# Altium PCB CM3_IO_V1.3_20220317.PcbDoc (part 2 of 7)
Units mil, origin at the board's own origin, x right, y up, seen from the top; angles counter-clockwise.
Board outline 6299.61 x 3544.09 mil, 4 copper layers (Top, GND, Power, Bottom), stack 35.4 mil thick; 551 components, 415 nets, 1958 pads, 2673 vias.
Unrouted connection lines stored in the file: 298.
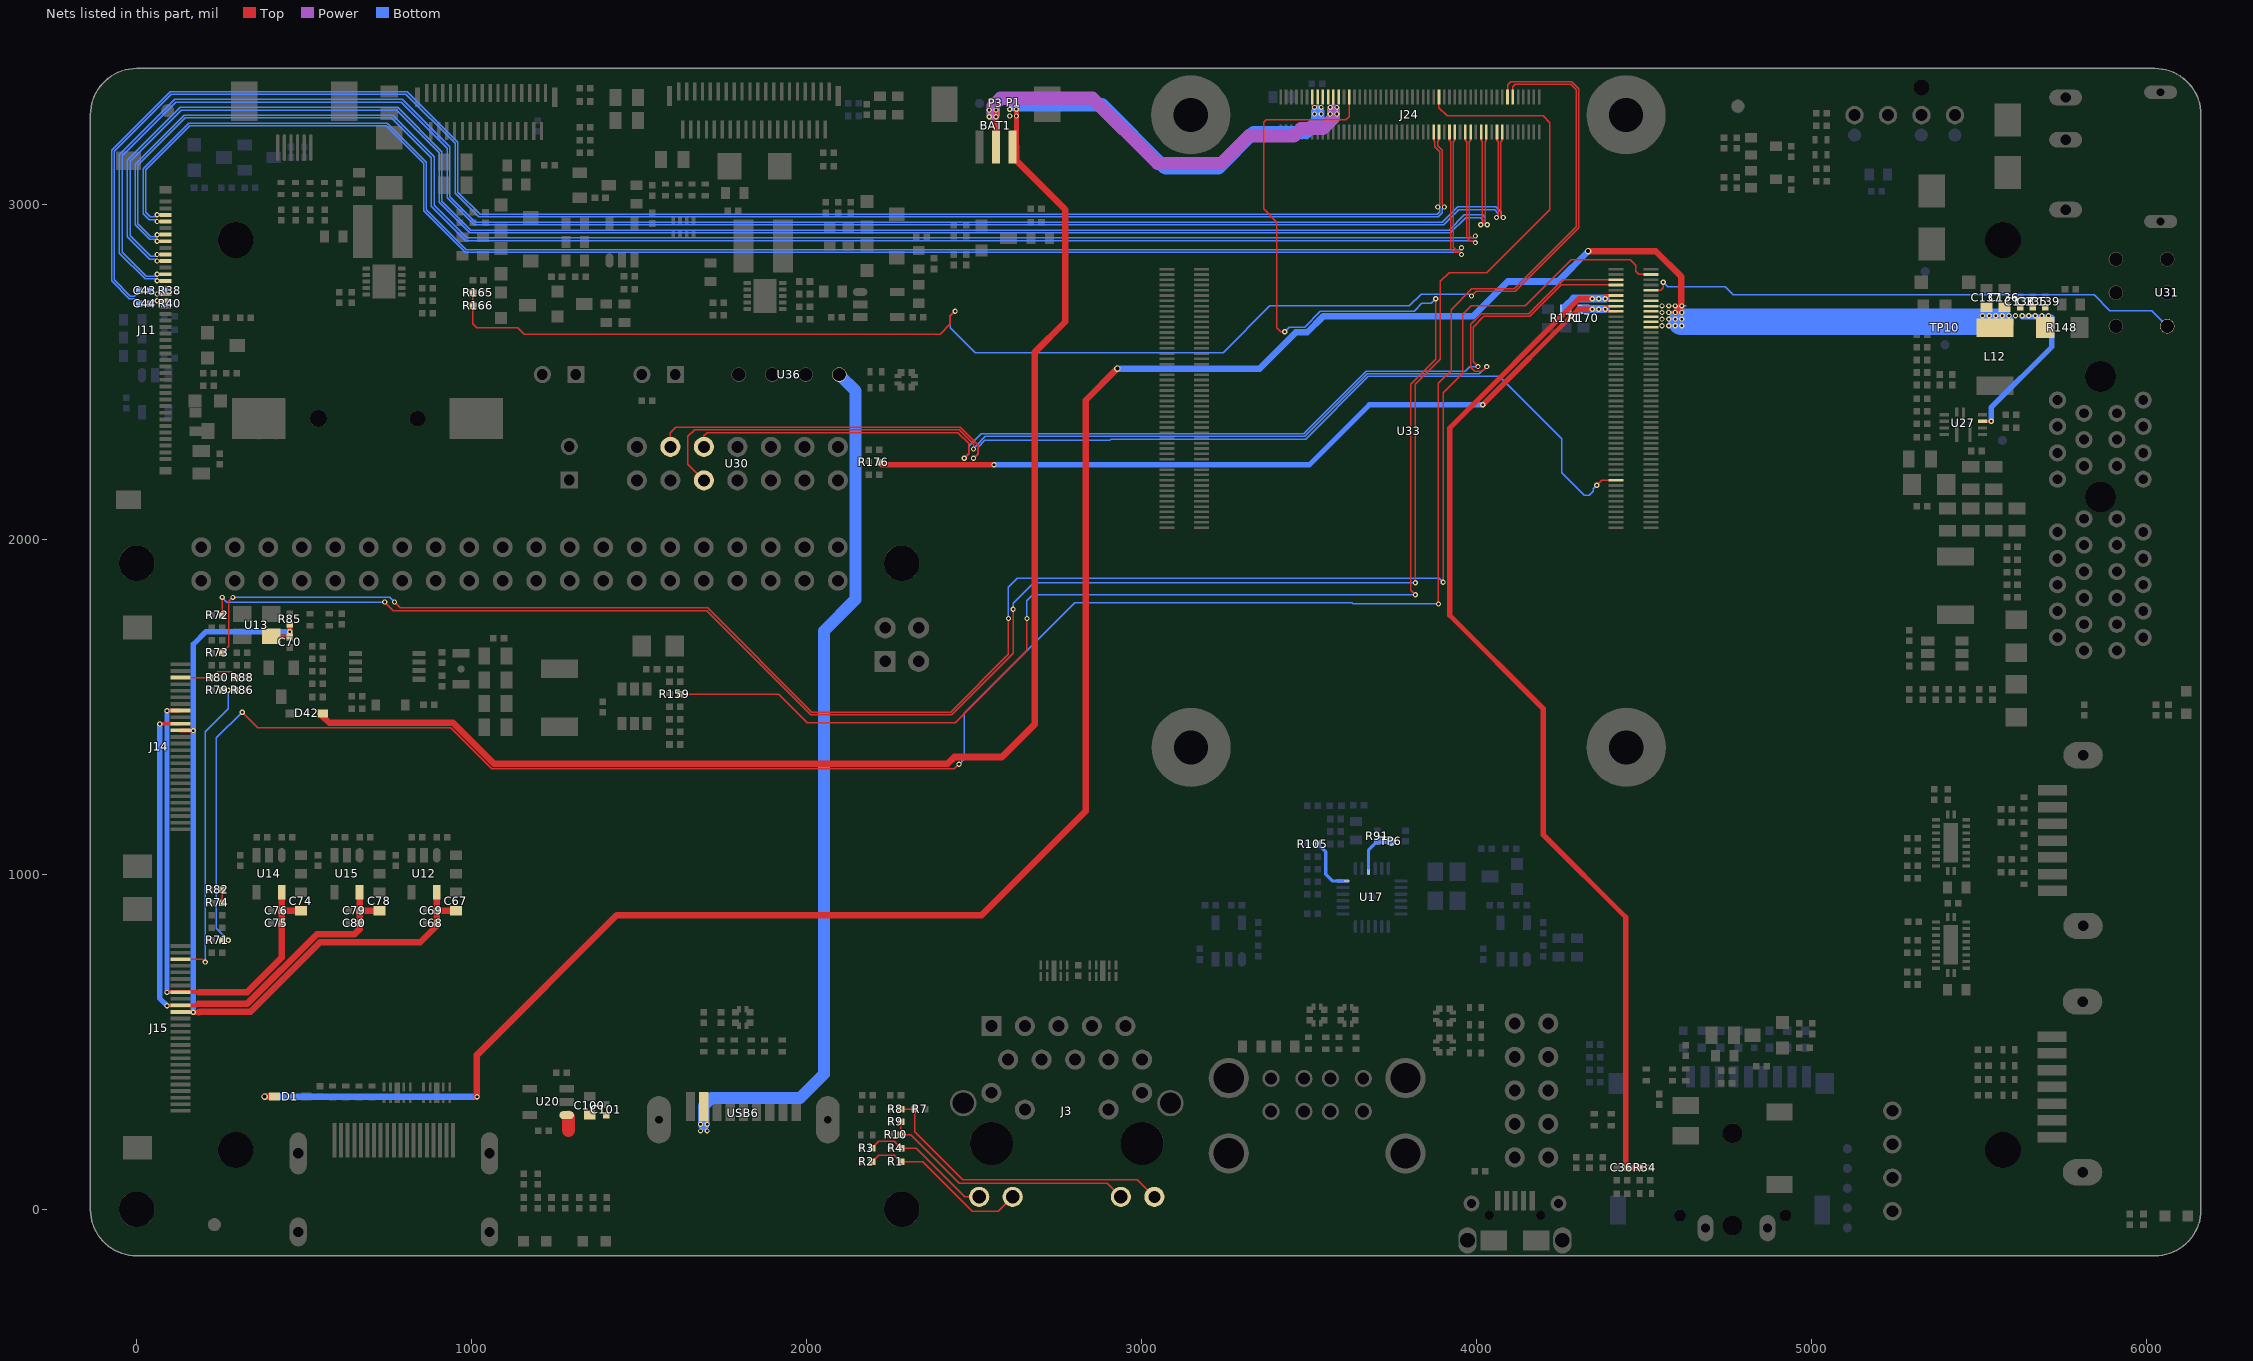
[diagram p4: the nets of this part, all layers, seen from the top]

## Footprints (in the part's own frame and the unit in brackets; to place one, negate y for a bottom-side part, rotate by r counter-clockwise, add the part's x,y. Pads: shape width x height; smd on the part's side, far side on the other; paste and mask are expansions set on the pad) (continued)
LCD39PIN-OK [mil]
  rect 54x10 smd: 1(0,0) 2(-113.18,11.81) 3(0,23.62) 4(-113.18,35.43) 5(0,47.24) 6(-113.18,59.06) 7(0,70.87) 8(-113.18,82.68) 9(0,94.49) 10(-113.18,106.3) 11(0,118.11) 12(-113.18,129.92) 13(0,141.73) 14(-113.18,153.54) 15(0,165.35) 16(-113.18,177.17) 17(0,188.98) 18(-113.18,200.79) 19(0,212.6) 20(-113.18,224.41) 21(0,236.22) 22(-113.18,248.03) 23(0,259.84) 24(-113.18,271.65) 25(0,283.46) 26(-113.18,295.28) 27(0,307.09) 28(-113.18,318.9) 29(0,330.71) 30(-113.18,342.52) 31(0,354.33) 32(-113.18,366.14) 33(0,377.95) 34(-113.18,389.76) 35(0,401.57) 36(-113.18,413.39) 37(0,425.2) 38(-113.18,437.01) 39(0,448.82)
  rect 59.06x15.75 smd: 40(-13.18,476.38) 41(-13.18,-27.56)
  silkscreen extent -130,-33 -54,483
LED0603 [mm]
  rect 0.8x0.8 smd: 1(-0.869,0.001) 2(0.869,-0.001)
  silkscreen extent -1.41,-0.65 1.41,0.65
MARK-1 [mm]
  round 1 smd: 1(0,0)
  silkscreen extent -1.65,-1.65 1.65,1.65
MICRO_USB_NJ2 [mm]
  rect 0.4x1.5 smd: 1(-1.3,0.2) 2(-0.65,0.2) 3(0,0.2) 4(0.65,0.2) 5(1.3,0.2)
  rrect100% 1.2x1.2 hole 0.7: 6(-3.3,0) 7(3.3,0)
  oval 1.4x2 hole 1.1 slot 1.5 at 90 deg: 8(-3.6,-2.8) 9(3.6,-2.8)
  rect 2x1.5 smd: 10(-1.6,-2.8) 11(1.6,-2.8)
  round 0.7 hole 0.7 unplated: 12(-1.95,-0.9) 13(1.95,-0.9)
  silkscreen extent -4.3,-5.28 4.3,1.55
MSOP8 [mm]
  rect 1x0.4 smd: 1(-2.4,0.947) 2(-2.4,0.297) 3(-2.4,-0.353) 4(-2.4,-1.003) 5(2.4,-1.003) 6(2.4,-0.353) 7(2.4,0.297) 8(2.4,0.947)
  silkscreen extent -3.36,-1.52 3.05,2.03
PCIEX1_36PIN_DIP [mm]
  round 1.3 hole 0.75: A1(-11.65,1.25) A2(-10.65,3.25) A3(-9.65,1.25) A4(-8.65,3.25) A5(-7.65,1.25) A6(-6.65,3.25) A7(-5.65,1.25) A8(-4.65,3.25) A9(-3.65,1.25) A10(-2.65,3.25) A11(-1.65,1.25) A12(1.35,3.25) A13(2.35,1.25) A14(3.35,3.25) A15(4.35,1.25) A16(5.35,3.25) A17(6.35,1.25) A18(7.35,3.25) B1(-11.65,-1.25) B2(-10.65,-3.25) B3(-9.65,-1.25) B4(-8.65,-3.25) B5(-7.65,-1.25) B6(-6.65,-3.25) B7(-5.65,-1.25) B8(-4.65,-3.25) B9(-3.65,-1.25) B10(-2.65,-3.25) B11(-1.65,-1.25) B12(1.35,-3.25) B13(2.35,-1.25) B14(3.35,-3.25) B15(4.35,-1.25) B16(5.35,-3.25) B17(6.35,-1.25) B18(7.35,-3.25)
  round 2.35 hole 2.35: C1(0,0) C2(9.15,0)
  silkscreen extent -14.67,-4.25 10.35,4.25
PJ-327A [mm]
  round 1.5 hole 1.5: 1(0,0) 8(7,0)
  oval 2x1.2 / inner oval 1.6x0.8 / far side oval 2x1.2 hole 0.686 slot 1.499 at 0 deg: 2(-0.2,2.05) 5(-0.2,-2.65)
  rect 1.3x2 smd: 3(6.8,3.55) 4(9.1,3.55) 6(3.1,-3.55) 7(8.6,-3.55)
  silkscreen extent -4.6,-3.2 9.6,3.2
QFN12_2R00X3R00X1R00 [mm]
  rect 1.5x0.25 smd: 1(-0.55,0.5) 2(-0.55,-0.5) 7(0.55,0)
  rect 0.25x0.7 smd: 3(-0.75,-1.45) 4(-0.25,-1.45) 5(0.25,-1.45) 6(0.75,-1.45) 9(0.75,1.45) 10(0.25,1.45) 11(-0.25,1.45) 12(-0.75,1.45)
  rect 0.7x0.25 smd: 8(0.95,0.5)
  silkscreen extent -1.81,-1.5 1,1.5
QFN20-2D5X4D5 [mm]
  rect 0.25x0.6 smd: 1(-1.74,-1.14) 2(-1.24,-1.14) 3(-0.74,-1.14) 4(-0.24,-1.14) 5(0.26,-1.14) 6(0.76,-1.14) 7(1.26,-1.14) 8(1.76,-1.14) 11(1.76,1.16) 12(1.26,1.16) 13(0.76,1.16) 14(0.26,1.16) 15(-0.24,1.16) 16(-0.74,1.16) 17(-1.24,1.16) 18(-1.74,1.16)
  rect 0.6x0.25 smd: 9(2.13,-0.25) 10(2.13,0.25) 19(-2.13,0.25) 20(-2.13,-0.25)
  rect 3x1.1 smd: 21(0,0)
  silkscreen extent -2.23,-2.01 2.27,1.26
QFN24 [mm]
  oval 0.25x1 smd: 1(-1.25,-2.2) 2(-0.75,-2.2) 3(-0.25,-2.2) 4(0.25,-2.2) 5(0.75,-2.2) 6(1.25,-2.2) 13(1.25,2.2) 14(0.75,2.2) 15(0.25,2.2) 16(-0.25,2.2) 17(-0.75,2.2) 18(-1.25,2.2)
  oval 1x0.25 smd: 7(2.2,-1.25) 8(2.2,-0.75) 9(2.2,-0.25) 10(2.2,0.25) 11(2.2,0.75) 12(2.2,1.25) 19(-2.2,1.25) 20(-2.2,0.75) 21(-2.2,0.25) 22(-2.2,-0.25) 23(-2.2,-0.75) 24(-2.2,-1.25)
  rrect100% 0.6x0.6 smd: 25(-0.037,-0.041)
  Top region: -1.253,0.95 -1.242,1.028 -1.212,1.101 -1.164,1.164 -1.101,1.212 -1.028,1.242 -0.95,1.253 -0.95,1.25 0.95,1.253 1.028,1.242 1.101,1.212 1.164,1.164 1.212,1.101 1.242,1.028 1.253,0.95 1.25,0.95 1.253,-0.95 1.242,-1.028 1.212,-1.101 1.164,-1.164 1.101,-1.212 1.028,-1.242 0.95,-1.253 0.95,-1.25 -0.95,-1.253 -1.028,-1.242 -1.101,-1.212 -1.164,-1.164 -1.212,-1.101 -1.242,-1.028 -1.253,-0.95 -1.25,-0.95 -1.25,0.95
  silkscreen extent -2.03,-2.98 2.01,2
R0402 [mm]
  rect 0.5x0.5 smd: 1(-0.4,0) 2(0.4,0)
  silkscreen extent -0.8,-0.4 0.8,0.4
R0603 [mm]
  rect 0.7x0.9 smd: 1(-0.7,0) 2(0.7,0)
  silkscreen extent -1.2,-0.6 1.2,0.6
R0805 [mm]
  rect 0.9x1.3 smd: 1(-0.85,0) 2(0.85,0)
  silkscreen extent -1.5,-0.8 1.5,0.8
R1206 [mm]
  rect 1.4x1.6 smd mask+0.05: 1(-1.3,0) 2(1.3,0)
  silkscreen extent -2.2,-1 2.2,1
RJ45_HRK1 [mm]
  rect 1.524x1.524 hole 0.9 mask+0.05: 1(0,0)
  round 1.524 / inner round 1.1 / far side round 1.524 hole 0.9 mask+0.05: 2(1.27,-2.54) 3(2.54,0) 4(3.81,-2.54) 5(5.08,0) 6(6.35,-2.54) 7(7.62,0) 8(8.89,-2.54) 9(10.16,0) 10(11.43,-2.54) 11(0,-5.06) 12(2.54,-6.33) 13(8.89,-6.33) 14(11.43,-5.06) 18(12.36,-12.95)
  round 1.524 hole 1.02 mask+0.05: 15(-0.92,-12.95) 16(1.62,-12.95) 17(9.82,-12.95)
  round 2 / inner round 2.2 / far side round 2.2 hole 1.6 mask+0.15: 19(-2.13,-5.84) 20(13.57,-5.84)
  round 3.25 hole 3.25: 21(0.005,-8.89) 22(11.435,-8.89)
  silkscreen extent -2.33,-19.64 13.77,1.71
RN8P4RC [mil]
  rect 11x21 smd: 1(30,-20.5) 2(10,-20.5) 3(-10,-20.5) 4(-30,-20.5) 5(-30,20.5) 6(-10,20.5) 7(10,20.5) 8(30,20.5)
  silkscreen extent -44,-54 44,21
RP2_0405 [mm]
  rect 0.5x0.3 smd: 1(-0.625,-0.275) 2(0.625,-0.275) 3(-0.625,0.275) 4(0.625,0.275)
  silkscreen extent -1,-0.6 1.03,0.6
S0T-23 [mil]
  rect 36x36 smd: 1(-37.5,-39) 2(37.5,-39)
  rect 36x50 smd: 3(0,41)
  silkscreen extent -55,-50 55,40
SMD-3P-1.25 [mm]
  rect 0.6x2.5 smd: 1(-1.25,0) 2(0,0) 3(1.25,0)
  rect 2x2.7 smd: 4(3.9,-3.25) 5(-3.9,-3.25)
  silkscreen extent -4.41,-5.51 4.4,-0.48
SMD_SATA_7P_50_180 [mm]
  rect 0.8x2.2 smd: 1(0,0) 2(1.27,0) 3(2.54,0) 4(3.81,0) 5(5.08,0) 6(6.35,0) 7(7.62,0)
  oval 2x3 hole 0.8 slot 1.7 at 90 deg: 8(10.28,2.3) 9(-2.66,2.3)
  silkscreen extent -4.19,-0.57 11.81,11.16
SOD323 [mm]
  rect 0.63x0.83 smd: 1(-1.115,0) 2(1.115,0)
  silkscreen extent -1.6,-0.7 1.84,0.7
SOD_123 [mm]
  rect 1x1 smd: 1(-1.8,0) 2(1.8,0)
  silkscreen extent -1.11,-0.9 1.13,0.9
SOD_323 [mm]
  rect 0.8x0.6 smd mask+0.05: 1(-1.2,0) 2(1.2,0)
  silkscreen extent -0.67,-0.65 0.64,0.65
SON10_2R50X1R00X0R50 [mm]
  rect 0.2x0.675 smd: 1(-1,-0.437) 2(-0.5,-0.437) 4(0.5,-0.437) 5(1,-0.437) 6(1,0.437) 7(0.5,0.437) 9(-0.5,0.437) 10(-1,0.437)
  rect 0.4x0.775 smd: 3(0,-0.388) 8(0,0.388)
  silkscreen extent -1.46,-1.39 1.25,0.5
SOT23 [mil]
  rect 39x39 smd: 1(-38,-44.53) 2(38,-44.53)
  rect 39.37x47.24 smd: 3(0,44.53)
SOT25 [mm]
  oval 0.6x1.1 smd: 1(-0.95,-1.4)
  rect 0.6x1.1 smd: 2(0,-1.4) 3(0.95,-1.4) 4(0.95,1.4) 5(-0.95,1.4)
  silkscreen extent -1.5,-0.52 1.5,0.55
SOT_23 [mm]
  rect 0.8x1.1 smd: 1(-0.95,-1.1) 2(0.95,-1.1) 3(0,1.1)
  silkscreen extent -1.6,-0.9 1.6,0.9
SOT_23_5 [mm]
  oval 1.1x0.6 smd: 1(-1.4,1)
  rect 1.1x0.6 smd: 2(-1.4,0) 3(-1.4,-1) 4(1.4,-1) 5(1.4,1)
  silkscreen extent -0.52,-1.5 0.55,1.5
SOT_23_6 [mm]
  rect 0.7x1 smd mask+0.05: 1(-0.95,-1.3) 2(0,-1.3) 3(0.95,-1.3) 4(0.95,1.3) 5(0,1.3) 6(-0.95,1.3)
  silkscreen extent -1.82,-1.72 1.75,0.7
SOT_323 [mm]
  rect 0.7x0.9 smd: 1(-0.65,-0.95) 2(0.65,-0.95) 3(0,0.95)
  silkscreen extent -1.1,-0.67 1.1,0.67
TF-CKT01-009D [mm]
  rect 1.6x0.7 smd: 1(-10.516,3.2) 2(-10.516,2.1) 3(-10.516,1) 4(-10.516,-0.1) 5(-10.516,-1.2) 6(-10.516,-2.3) 7(-10.516,-3.4) 8(-10.516,-4.5) 9(-10.516,-5.6)
  rect 1.6x1.4 smd: 10(-10.016,-7) 13(-10.016,8.7)
  rect 2.2x1.2 smd: 11(-0.416,-6.8) 12(-0.416,8.7)
  round 0.9 hole 0.9 unplated: 14(0,4) 15(0,-4)
  silkscreen extent -10.52,-6.4 3.98,8.3
TP_0R70 [mm]
  round 0.7 smd: 1(0,0)
  silkscreen extent -0.45,-0.45 0.45,0.45
TP_1R00 [mm]
  round 1 smd mask+0.05: 1(0,0)
  silkscreen extent -0.6,-0.6 0.6,0.6
USB30-L1 [mm]
  rect 0.7x2.2 smd: 1(-3,0) 2(-1,0) 3(1,0) 4(3,0) 5(4,0) 6(2,0) 7(0,0) 8(-2,0) 9(-4,0)
  oval 1.8x3.6 / inner oval 0.7x2.6 / far side oval 1.8x3.6 hole 0.584 slot 2.489 at 90 deg: 10(-6.4,-1) 11(6.4,-1)
  silkscreen extent -9.28,-14.64 9.29,0.92
USB-AF-DUAL [mm]
  round 1.3 / inner round 0.9 / far side round 1.3 hole 0.9: 1(3.18,3.5) 2(3.18,1) 3(3.18,-1) 4(3.18,-3.5) 5(5.68,3.5) 6(5.68,1) 7(5.68,-1) 8(5.68,-3.5)
  round 3.048 / inner round 2.5 / far side round 3.048 hole 2.3: 9(0,6.7)
  round 3.048 / inner round 2.5 / far side round 3.048 hole 2.286: 10(0,-6.7) 11(5.7,6.7) 12(5.7,-6.7)
  silkscreen extent -9.97,-7.52 7.1,7.61
XIAO_4PIN_2D54 [mm]
  round 1.4 hole 0.9: 1(0.01,0) 2(2.55,0) 3(5.09,0) 4(7.63,0)
  silkscreen extent -1.19,-3.3 8.81,2.36

## Via types
v1: diameter 15.75, hole 7.87, Top to Bottom, 2641 vias
v2: diameter 19.68, hole 11.81, Top to Bottom, 32 vias

## Nets (pads, with @x,y where several pads share a name; then routed paths per layer and width w, separated by ;. In a path a pad name is that pad's centre, name@x,y a point inside that pad or via, vN(x,y) a via of type N, cw(c..) or ccw(c..) an arc to the next point about the centre after c; other vN are vias at no path point)
1V2: C74.1 C75.1 C76.1 J14.8 J15.8 U14.5 | length 1519.1
  Top w3.94: C76.1@433.07,889.76 C76.1@433.07,891.73
  Top w11.81: v1(90.55,647.64) 91.34,648.42 J15.8@131.1,648.42 185.04,648.42 ; v1(90.55,1488.19) 91.34,1488.98 J14.8@131.1,1488.98
  Top w19.68: 185.04,648.42 329.53,648.42 433.07,751.97 C75.1@433.07,854.33 C76.1@433.07,889.76 ; U14.5@433.07,946.85 C76.1@433.07,891.73 C74.1@490.16,891.73
  Bottom w15.75: v1(90.55,647.64) v1(90.55,1488.19)
1V8: C67.1 C68.1 C69.1 C70.1 J14.11 J15.11 R85.2 U12.5 U13.4 | length 2576.3
  Top w11.81: J15.11@131.1,589.37 131.89,588.58 v1(169.29,588.58) ; J14.11@131.1,1429.93 168.5,1429.93 v1(169.29,1429.13)
  Top w15.75: v1(169.29,588.58) 185.04,588.58 ; U13.4@401.58,1710.63 401.57,1720.47 413.39,1708.66 C70.1@456.69,1708.66 v1(456.69,1724.41) R85.2@456.69,1746.06
  Top w19.68: 185.04,588.58 187.01,588.58 188.98,590.55 340.55,590.55 547.24,797.24 846.46,797.24 895.67,846.46 C68.1@895.67,854.33 C69.1@895.67,891.73 ; U12.5@895.67,946.85 C69.1@895.67,891.73 ; C67.1@952.76,891.73 C69.1@895.67,891.73
  Bottom w15.75: v1(169.29,588.58) v1(169.29,1429.13) 169.29,1687.01 206.69,1724.41 v1(456.69,1724.41)
2V8: C78.1 C79.1 C80.1 J14.10 J15.10 U15.5 | length 1750.7
  Top w11.81: v1(68.9,1448.82) 69.68,1449.61 J14.10@131.1,1449.61 ; v1(90.55,608.27) 91.34,609.05 J15.10@131.1,609.05 179.13,609.05 184.25,614.17
  Top w19.68: 184.25,614.17 330.71,614.17 537.4,820.87 649.61,820.87 665.35,836.61 C80.1@665.35,854.33 C79.1@665.35,891.73 ; U15.5@665.35,946.85 C79.1@665.35,891.73 ; C78.1@724.41,891.73 C79.1@665.35,891.73
  Bottom w15.75: v1(68.9,1448.82) 68.9,629.92 v1(90.55,608.27)
3V3_PWR_EN: J24.74 R159.1 | length 4866.2
  Top w3.94: R159.1@1622.05,1537.4 1917.32,1537.4 2001.97,1452.76 2442.91,1452.76 2657.48,1667.32 v1(2657.48,1763.78) ; v1(3427.17,2620.08) 3415.35,2620.08 3403.54,2631.89 3403.54,2946.85 3364.17,2986.22 3364.17,3244.68 3371.46,3251.97 3609.65,3251.97 3619.49,3261.81 J24.74@3619.49,3320.08 ; v1(3816.93,1834.65) 3803.15,1848.43 3803.15,2462.6 3877.95,2537.4 v1(3877.95,2718.5)
  Bottom w3.94: v1(2657.48,1763.78) 2657.48,1816.99 2675.14,1834.65 v1(3816.93,1834.65) ; v1(3427.17,2620.08) 3440.94,2633.86 3486.22,2633.86 3533.46,2681.1 3812.99,2681.1 3836.61,2704.72 3864.17,2704.72 v1(3877.95,2718.5)
5V0_USB30: C100.1 C101.1 U20.1 U36.1 USB6.1 | length 2649.1
  Top w39.37: 1289.37,236.22 U20.1@1289.37,275.59
  Bottom w3.94: v1(1683.07,253.94) 1692.91,253.94
  Bottom w35.43: 1692.91,253.94 1692.91,309.06 1716.54,332.68 1980.31,332.68 2051.18,403.54 2051.18,1726.38 2145.67,1820.87 2145.67,2443.31 U36.1@2097.24,2491.73
  other v1: 1683.07,234.25 1702.76,234.25 1702.76,253.94
5V_PWR_EN: J24.14 R165.2 R166.1 | length 4386.1
  Top w3.94: R165.2@1003.94,2736.22 R166.1@1003.94,2696.85 1003.94,2643.7 1015.75,2631.89 1137.8,2631.89 1157.48,2612.2 2398.31,2612.2 2429.13,2643.03 2429.13,2667.32 v1(2442.91,2681.1) ; v1(3984.25,2726.38) 3998.03,2740.16 4114.85,2740.16 4305.12,2930.43 4305.12,3345.16 4284.14,3366.14 4101.77,3366.14 4091.93,3356.3 J24.14@4091.93,3320.08
  Bottom w3.94: v1(2442.91,2681.1) 2429.13,2667.32 2429.13,2631.16 2503.2,2557.09 3242.86,2557.09 3382.62,2696.85 3799.21,2696.85 3834.65,2732.28 3978.35,2732.28 v1(3984.25,2726.38)
100M_LED_G+: J3.15 R3.2 R4.1 | length 396.7
  Top w3.94: R3.2@2194.88,183.07 2214.57,202.76 2261.81,202.76 R4.1@2281.5,183.07 2326.77,183.07 2472.44,37.4 J3.15@2514.96,37.4
100M_LED_G-: J3.16 R1.2 R2.1 | length 515.5
  Top w3.94: R2.1@2194.88,141.73 2214.57,161.42 2261.81,161.42 R1.2@2281.5,141.73 2346.46,141.73 2494.09,-5.91 2571.65,-5.91 J3.16@2614.96,37.4
1000M_LED_Y+: J3.17 R9.2 R10.1 | length 772.3
  Top w3.94: R9.2@2281.5,261.81 R10.1@2281.5,222.44 2311.02,222.44 2454.72,78.74 2896.46,78.74 J3.17@2937.8,37.4
1000M_LED_Y-: J3.18 R7.2 R8.1 | length 904
  Top w3.94: R8.1@2281.5,299.21 R7.2@2322.83,299.21 2323.23,298.82 2323.23,231.89 2466.54,88.58 2986.61,88.58 J3.18@3037.8,37.4
+1V8: C36.1 R34.2 R171.2 U33.88 U33.90 | length 3265.7
  Top w7.87: U33.88@4415.75,2712.01 4383.86,2712.01 v1(4383.86,2718.5) 4383.86,2727.76 U33.90@4415.75,2727.76
  Top w15.75: v1(4344.49,2718.5) 4305.12,2718.5 3919.29,2332.68 3919.29,1773.62 4198.82,1494.09 4198.82,1118.11 4444.88,872.05 4444.88,127.95 C36.1@4448.82,124.02 R34.2@4486.22,124.02
  Bottom w23.62: R171.2@4265.75,2687.01 4265.75,2694.88 4289.37,2718.5 v1(4344.49,2718.5) v1(4364.17,2718.5) v1(4383.86,2718.5)
+3V3: R170.2 R176.2 U33.84 U33.86 | length 2468.1
  Top w7.87: U33.84@4415.75,2680.51 4383.86,2680.51 v1(4383.86,2687.01) 4383.86,2696.26 U33.86@4415.75,2696.26
  Top w15.75: R176.2@2216.54,2230.31 2224.41,2222.44 v1(2559.06,2222.44) ; v1(4017.72,2401.57) 4303.15,2687.01 v1(4344.49,2687.01)
  Bottom w15.75: v1(2559.06,2222.44) 3500,2222.44 3679.13,2401.57 v1(4017.72,2401.57)
  Bottom w23.62: R170.2@4318.9,2687.01 v1(4383.86,2687.01)
  other v1: 4364.17,2687.01
+5V_INPUT: C135.1 C136.1 C137.1 C138.1 C139.1 D1.1 L12.2 R148.2 TP10.1 U27.5 U33.77 U33.79 U33.81 U33.83 U33.85 U33.87 | length 7856.8
  Top w3.94: L12.2@5547.24,2631.89 5549.21,2631.89 v1(5549.21,2667.32)
  Top w9.84: U27.5@5509.85,2352.36 5527.56,2352.36 v1(5535.43,2352.36)
  Top w19.68: v2(381.89,336.61) D1.1@411.42,336.61 ; v1(1015.75,336.61) 1015.75,460.99 1432.71,877.95 2521.82,877.95 2832.68,1188.81 2832.68,2415.35 v2(2927.17,2509.84) ; v2(4332.68,2860.24) 4534.2,2860.24 4610.24,2784.2 4610.24,2696.85 4610.24,2694.88 v1(4592.52,2677.17)
  Bottom w3.94: v1(4592.52,2696.85) 4625.98,2696.85 ; TP10.1@5397.64,2631.89 5399.61,2633.86 5399.61,2649.61 ; 5557.09,2649.61 v1(5568.9,2667.32)
  Bottom w7.87: v1(4572.83,2677.17) 4582.68,2677.17 4610.24,2649.61
  Bottom w15.75: v1(5535.43,2352.36) 5535.43,2393.7 5716.54,2574.8 5716.54,2612.2 5716.54,2663.39 5627.95,2663.39 v1(5627.95,2667.32)
  Bottom w19.68: v2(381.89,336.61) v1(1015.75,336.61) ; v2(2927.17,2509.84) 3352.36,2509.84 3460.63,2618.11 3494.09,2618.11 3541.34,2665.35 3988.19,2665.35 4092.52,2769.68 4242.13,2769.68 v2(4332.68,2860.24)
  Bottom w78.74: 4610.24,2649.61 5399.61,2649.61 5557.09,2649.61 5562.99,2649.61
  other v1: 4553.15,2637.8 4572.83,2637.8 4592.52,2637.8 4612.2,2637.8 4553.15,2657.48 4572.83,2657.48 4592.52,2657.48 4612.2,2657.48 5509.84,2667.32 5529.53,2667.32 5588.58,2667.32 5608.27,2667.32 5647.64,2667.32 5667.32,2667.32 5687.01,2667.32 5706.69,2667.32 4553.15,2677.17 4612.2,2677.17 4553.15,2696.85 4572.83,2696.85 4612.2,2696.85
AIN0: U30.5 U33.96 | length 3353.7
  Top w3.94: U30.5@1693.31,2175.98 1645.67,2223.62 1645.67,2307.09 1665.35,2326.77 2454.78,2326.77 2498.03,2283.52 v1(2498.03,2269.68) ; v1(4029.53,2515.75) 4015.75,2501.97 3994.09,2501.97 3982.28,2513.78 3982.28,2641.73 4013.78,2673.23 4154.89,2673.23 4256.67,2775 U33.96@4415.75,2775
  Bottom w3.94: v1(2498.03,2269.68) 2496.98,2270.74 2503.94,2277.7 2503.94,2278.65 2532.37,2307.09 3486.32,2307.09 3673.33,2494.09 4007.87,2494.09 v1(4029.53,2515.75)
AIN1: U30.6 U33.94 | length 3152.2
  Top w3.94: U30.6@1693.31,2275.98 1693.31,2309.06 1703.15,2318.9 2451.52,2318.9 2484.25,2286.17 2484.25,2255.91 v1(2470.47,2242.13) ; v1(4003.94,2515.75) 3990.16,2529.53 3990.16,2531.5 3990.16,2633.86 4021.65,2665.35 4158.16,2665.35 4252.05,2759.25 U33.94@4415.75,2759.25
  Bottom w3.94: v1(2470.47,2242.13) 2484.25,2255.91 2484.25,2277.56 2521.65,2314.96 3483.02,2314.96 3670.02,2501.97 3965.45,2501.97 3979.23,2515.75 v1(4003.94,2515.75)
BAT_3V7_LOSE: BAT1.2 J24.78 J24.80 J24.82 P3.1 | length 1371.5
  Top w3.94: J24.80@3572.24,3320.08 J24.80@3572.83,3319.49
  Top w15.75: BAT1.2@2564.96,3171.26 v1(2564.96,3281.5)
  Power w3.94: v1(3562.99,3289.37) 3572.83,3279.53
  Power w7.87: v1(2545.28,3261.81) 2547.24,3261.81 2549.21,3259.84 2557.09,3267.72
  Power w39.37: 2557.09,3267.72 2557.09,3295.28 2578.74,3316.93 2852.36,3316.93 3047.24,3122.05 3238.19,3122.05 3320.87,3204.72 3454.72,3204.72 3476.38,3226.38 3541.34,3226.38 3572.83,3257.87 3572.83,3279.53
  Bottom w15.75: v1(2564.96,3281.5) P3.1@2564.96,3301.18
  other v1: 2564.96,3261.81 3562.99,3269.68 3582.68,3269.68 2545.28,3281.5 3582.68,3289.37
BAT_3V7_PLUS: BAT1.1 D42.1 J24.84 J24.86 J24.88 P1.1 | length 5314
  Top w3.94: J24.88@3509.25,3320.08 3509.25,3289.37 v1(3515.75,3289.37)
  Top w15.75: 2625.98,3173.23 v1(2625.98,3283.46)
  Top w19.68: D42.1@555.12,1480.31 555.12,1472.44 574.8,1452.76 943.95,1452.76 1066,1330.71 2421.26,1330.71 2440.94,1350.39 2582.68,1350.39 2681.1,1448.82 2681.1,2559.06 2771.65,2649.61 2771.65,2984.25 2625.98,3129.92 2625.98,3173.23
  Bottom w7.87: P1.1@2620.08,3297.24 2620.08,3283.46 v1(2625.98,3283.46) ; v1(3515.75,3269.68) 3517.72,3269.68 3525.59,3277.56
  Bottom w39.37: P1.1@2620.08,3297.24 2881.89,3297.24 3070.87,3108.27 3228.35,3108.27 3334.65,3214.57 3490.16,3214.57 3525.59,3250 3525.59,3277.56
  other v1: 2606.3,3263.78 2625.98,3263.78 3535.43,3269.68 2606.3,3283.46 3535.43,3289.37
BT_NDIS: U31.3 U33.91 | length 1614.6
  Top w3.94: U33.91@4520.47,2743.5 4549.21,2743.5 4557.09,2751.38 v1(4557.09,2767.72)
  Bottom w3.94: v1(4557.09,2767.72) 4570.87,2753.94 4741.51,2753.94 4765.13,2730.31 5842.52,2730.31 5889.76,2683.07 6014.17,2683.07 U31.3@6061.02,2636.22
BUSJ: R105.2 U17.18 | length 159.7
  Bottom w9.84: R105.2@3525.59,1090.55 3549.21,1066.93 3549.21,1000 3568.9,980.31 U17.18@3600.39,980.31
CAM_CLKOUT0: J14.3 R80.1 R88.2 | length 183.1
  Top w3.94: J14.3@131.1,1587.41 223.62,1587.41 R80.1@224.41,1586.61 242.13,1604.33 281.5,1604.33 R88.2@299.21,1586.61
CAM_CLKOUT1: J15.3 R79.1 R86.2 | length 960.1
  Top w3.94: J15.3@131.1,746.85 196.06,746.85 v1(204.72,738.19) ; R79.1@255.91,1549.21 v1(273.62,1549.21) R86.2@299.21,1549.21
  Bottom w3.94: v1(204.72,738.19) 204.72,1425.2 273.62,1494.09 v1(273.62,1549.21)
CAM_GPIO: R73.2 U33.97 | length 5702.4
  Top w3.94: R73.2@255.91,1661.42 275.59,1681.1 275.59,1814.96 v1(287.4,1826.77) ; v1(769.69,1812.99) 787.4,1795.28 1704.67,1795.28 2015.69,1484.25 2429.87,1484.25 2602.36,1656.75 v1(2602.36,1763.78) ; v1(3899.61,1872.05) 3899.61,2437.01 3958.66,2496.06 3958.66,2671.26 3984.25,2696.85 4145.05,2696.85 4282.85,2834.65 4458.66,2834.65 4474.41,2818.9 4474.41,2800.59 4484.25,2790.75 U33.97@4520.47,2790.75
  Bottom w3.94: v1(287.4,1826.77) 755.91,1826.77 v1(769.69,1812.99) ; v1(2602.36,1763.78) 2602.36,1857.21 2629.01,1883.86 3887.8,1883.86 v1(3899.61,1872.05)
CAM_PWR_2: J24.12 R71.2 | length 6682.2
  Top w3.94: R71.2@255.91,803.15 v1(273.62,803.15) ; v1(314.96,1484.25) 362.2,1437.01 937.43,1437.01 1059.47,1314.96 2440.94,1314.96 v1(2454.72,1328.74) ; v1(3885.83,1807.09) 3885.83,2466.54 3923.23,2503.94 3923.23,2685.77 3985.49,2748.03 4111.59,2748.03 4297.24,2933.69 4297.24,3341.9 4280.88,3358.27 4115.55,3358.27 4107.68,3350.39 J24.12@4107.68,3320.08
  Bottom w3.94: v1(273.62,803.15) 238.19,838.58 238.19,1407.48 v1(314.96,1484.25) ; v1(2454.72,1328.74) 2470.47,1344.49 2470.47,1480.73 2800.76,1811.02 3627.59,1811.02 3631.52,1807.09 v1(3885.83,1807.09)
CAM_RESET_1: J24.40 R72.2 | length 5997.7
  Top w3.94: R72.2@255.91,1773.62 v1(255.91,1826.77) ; v1(740.16,1812.99) 765.75,1787.4 1701.4,1787.4 2012.43,1476.38 2433.13,1476.38 2616.14,1659.39 v1(2616.14,1791.34) ; v1(3816.93,1870.08) 3816.93,2462.6 3891.73,2537.4 3891.73,2769.68 3917.32,2795.28 4030.15,2795.28 4218.5,2983.63 4218.5,3243.48 4198.2,3263.78 3911.42,3263.78 3887.2,3287.99 J24.40@3887.2,3320.08
  Bottom w3.94: v1(255.91,1826.77) 269.69,1812.99 v1(740.16,1812.99) ; v1(2616.14,1791.34) 2616.14,1809.06 2677.17,1870.08 v1(3816.93,1870.08)
CAM_RESET_2: R74.2 R82.1 | length 39.4
  Top w3.94: R74.2@255.91,915.35 R82.1@255.91,954.72
DRV: R91.2 TP6.1 U17.21 | length 132.6
  Bottom w9.84: U17.21@3677.17,1017.72 3677.17,1072.83 R91.2@3702.76,1098.43
  Bottom w15.75: R91.2@3702.76,1098.43 TP6.1@3744.09,1098.43
EDP_TX_AUXN: C44.2 J24.41 | length 5030.8
  Top w3.94: J24.41@3871.46,3216.14 3871.46,3190.94 3875.39,3187.01 3875.39,3171.26 3889.76,3157.48 3889.76,2998.03 v1(3883.86,2992.13)
  Bottom w3.94: C44.2@7.87,2702.76 -7.87,2718.5 -21.65,2718.5 -74.8,2771.65 -74.8,3161.42 100.39,3336.61 807.09,3336.61 958.66,3185.04 958.66,3036.73 1024.92,2970.47 3882.57,2970.47 3889.76,2977.67 3889.76,2986.22 v1(3883.86,2992.13)
EDP_TX_AUXP: C43.1 J24.39 | length 5017.7
  Top w3.94: J24.39@3887.2,3216.14 3887.2,3190.94 3883.27,3187.01 3883.27,3174.71 3893.03,3165.35 3897.64,3160.74 3897.64,2998.03 v1(3903.54,2992.13)
  Bottom w3.94: C43.1@7.87,2742.13 -7.87,2726.38 -18.39,2726.38 -66.93,2774.91 -66.93,3158.16 103.66,3328.74 803.83,3328.74 950.79,3181.78 950.79,3033.46 1021.65,2962.6 3885.83,2962.6 3897.64,2974.41 3897.64,2986.22 v1(3903.54,2992.13)
EDP_TX_D0N: J11.12 J24.17 | length 5159.7
  Top w3.94: v1(61.02,2791.34) J11.12@86.61,2791.34 ; v1(4059.06,2960.63) 4059.06,2961.22 4064.37,2966.54 4064.37,3187.01 4060.43,3190.94 J24.17@4060.43,3216.14
  Bottom w3.94: v1(61.02,2791.34) 55.12,2785.43 28.85,2785.43 -43.31,2857.59 -43.31,3144.38 117.43,3305.12 790.05,3305.12 927.17,3168 927.17,3019.68 1007.87,2938.98 3897.64,2938.98 3900.9,2938.98 3946.17,2984.25 4053.15,2984.25 4064.96,2972.44 4064.96,2966.54 v1(4059.06,2960.63)
EDP_TX_D0P: J11.13 J24.15 | length 5199.3
  Top w3.94: v1(61.02,2771.65) J11.13@86.61,2771.65 ; J24.15@4076.18,3216.14 4076.18,3190.94 4072.24,3187.01 4072.24,2967.13 v1(4078.74,2960.63)
  Bottom w3.94: v1(61.02,2771.65) 55.12,2777.56 25.59,2777.56 -51.18,2854.33 -51.18,3147.64 114.17,3312.99 793.31,3312.99 935.04,3171.26 935.04,3022.95 1011.14,2946.85 3897.64,2946.85 3942.91,2992.13 4056.41,2992.13 4072.83,2975.7 4072.83,2972.44 4072.83,2966.54 v1(4078.74,2960.63)
EDP_TX_D1N: J11.9 J24.23 | length 5016
  Top w3.94: v1(61.02,2850.39) J11.9@86.61,2850.39 ; v1(4011.81,2938.98) 4017.13,2944.29 4017.13,3187.01 4013.19,3190.94 J24.23@4013.19,3216.14
  Bottom w3.94: v1(61.02,2850.39) 55.12,2844.49 42.63,2844.49 -19.69,2906.8 -19.69,3128.63 133.18,3281.5 776.27,3281.5 903.54,3154.22 903.54,3005.91 994.09,2915.35 3921.26,2915.35 3966.54,2960.63 4011.81,2960.63 4017.72,2954.72 4017.72,2944.88 v1(4011.81,2938.98)
EDP_TX_D1P: J11.10 J24.21 | length 5057.2
  Top w3.94: v1(61.02,2830.71) J11.10@86.61,2830.71 ; J24.21@4028.94,3216.14 4028.94,3190.94 4025,3187.01 4025,2945.47 v1(4031.5,2938.98)
  Bottom w3.94: v1(61.02,2830.71) 55.12,2836.61 39.37,2836.61 -27.56,2903.54 -27.56,3131.89 129.92,3289.37 779.53,3289.37 911.42,3157.48 911.42,3009.17 997.36,2923.23 3917.32,2923.23 3962.6,2968.5 4017.72,2968.5 4025.59,2960.63 4025.59,2944.88 v1(4031.5,2938.98)
EDP_TX_D2N: J11.6 J24.29 | length 4913.9
  Top w3.94: v1(61.02,2909.45) J11.6@86.61,2909.45 ; J24.29@3965.94,3216.14 3965.94,3190.94 3969.88,3187.01 3969.88,2901.57 3979.72,2891.73 3990.16,2891.73 v1(3996.06,2885.83)
  Bottom w3.94: v1(61.02,2909.45) 55.12,2903.54 42.63,2903.54 3.94,2942.24 3.94,3116.82 144.99,3257.87 760.52,3257.87 879.92,3138.47 879.92,2994.09 982.28,2891.73 3990.16,2891.73 v1(3996.06,2885.83)
EDP_TX_D2P: J11.7 J24.27 | length 4926.9
  Top w3.94: v1(61.02,2889.76) J11.7@86.61,2889.76 ; J24.27@3981.69,3216.14 3981.69,3190.94 3977.76,3187.01 3977.76,2904.84 3982.99,2899.61 3990.16,2899.61 v1(3996.06,2905.51)
  Bottom w3.94: v1(61.02,2889.76) 55.12,2895.67 39.37,2895.67 -3.94,2938.98 -3.94,3120.08 141.73,3265.75 763.78,3265.75 887.8,3141.73 887.8,2997.36 985.54,2899.61 3990.16,2899.61 v1(3996.06,2905.51)
EDP_TX_D3N: J11.3 J24.35 | length 4807.3
  Top w3.94: v1(61.02,2968.5) J11.3@86.61,2968.5 ; J24.35@3918.7,3216.14 3918.7,3190.94 3922.64,3187.01 3922.64,2868.11 3934.45,2856.3 3948.82,2856.3 v1(3954.72,2850.39)
  Bottom w3.94: v1(61.02,2968.5) 55.12,2962.6 40.66,2962.6 27.56,2975.7 27.56,3103.04 158.77,3234.25 744.77,3234.25 856.3,3122.72 856.3,2980.31 980.31,2856.3 3948.82,2856.3 v1(3954.72,2850.39)
EDP_TX_D3P: J11.4 J24.33 | length 4820.3
  Top w3.94: v1(61.02,2948.82) J11.4@86.61,2948.82 ; J24.33@3934.45,3216.14 3934.45,3190.94 3930.51,3187.01 3930.51,2871.37 3937.71,2864.17 3948.82,2864.17 v1(3954.72,2870.08)
  Bottom w3.94: v1(61.02,2948.82) 55.12,2954.72 37.4,2954.72 19.69,2972.44 19.69,3106.3 155.51,3242.13 748.03,3242.13 864.17,3125.98 864.17,2983.58 983.58,2864.17 3948.82,2864.17 v1(3954.72,2870.08)
EDPTX_AUXN: C44.1 J11.16 R40.1 | length 77.1
  Top w3.94: v1(61.02,2712.6) J11.16@86.61,2712.6
  Bottom w3.94: C44.1@39.37,2702.76 49.21,2712.6 v1(61.02,2712.6) 72.83,2712.6 R40.1@82.68,2702.76
EDPTX_AUXP: C43.2 J11.15 R38.2 | length 77.1
  Top w3.94: v1(61.02,2732.28) J11.15@86.61,2732.28
  Bottom w3.94: C43.2@39.37,2742.13 41.34,2742.13 51.18,2732.28 v1(61.02,2732.28) 72.83,2732.28 R38.2@82.68,2742.13
EEPROM_NWP: U30.4 U33.20 | length 3294.1
  Top w3.94: U30.4@1593.31,2275.98 1593.31,2318.9 1609.06,2334.65 2458.04,2334.65 2511.81,2280.88 2511.81,2255.91 v1(2498.03,2242.13) ; v1(4358.27,2161.42) 4373.43,2176.57 U33.20@4415.75,2176.57
  Bottom w3.94: v1(2498.03,2242.13) 2511.81,2255.91 2511.81,2275.39 2531.69,2295.28 2905.15,2295.28 2909.09,2299.21 3489.62,2299.21 3676.63,2486.22 4067.55,2486.22 4253.94,2299.83 4253.94,2198.4 4320.45,2131.89 4336.42,2131.89 4347.9,2143.37 4347.9,2151.05 v1(4358.27,2161.42)